# KiCad board ardumower mega shield svn.kicad_pcb (continued)
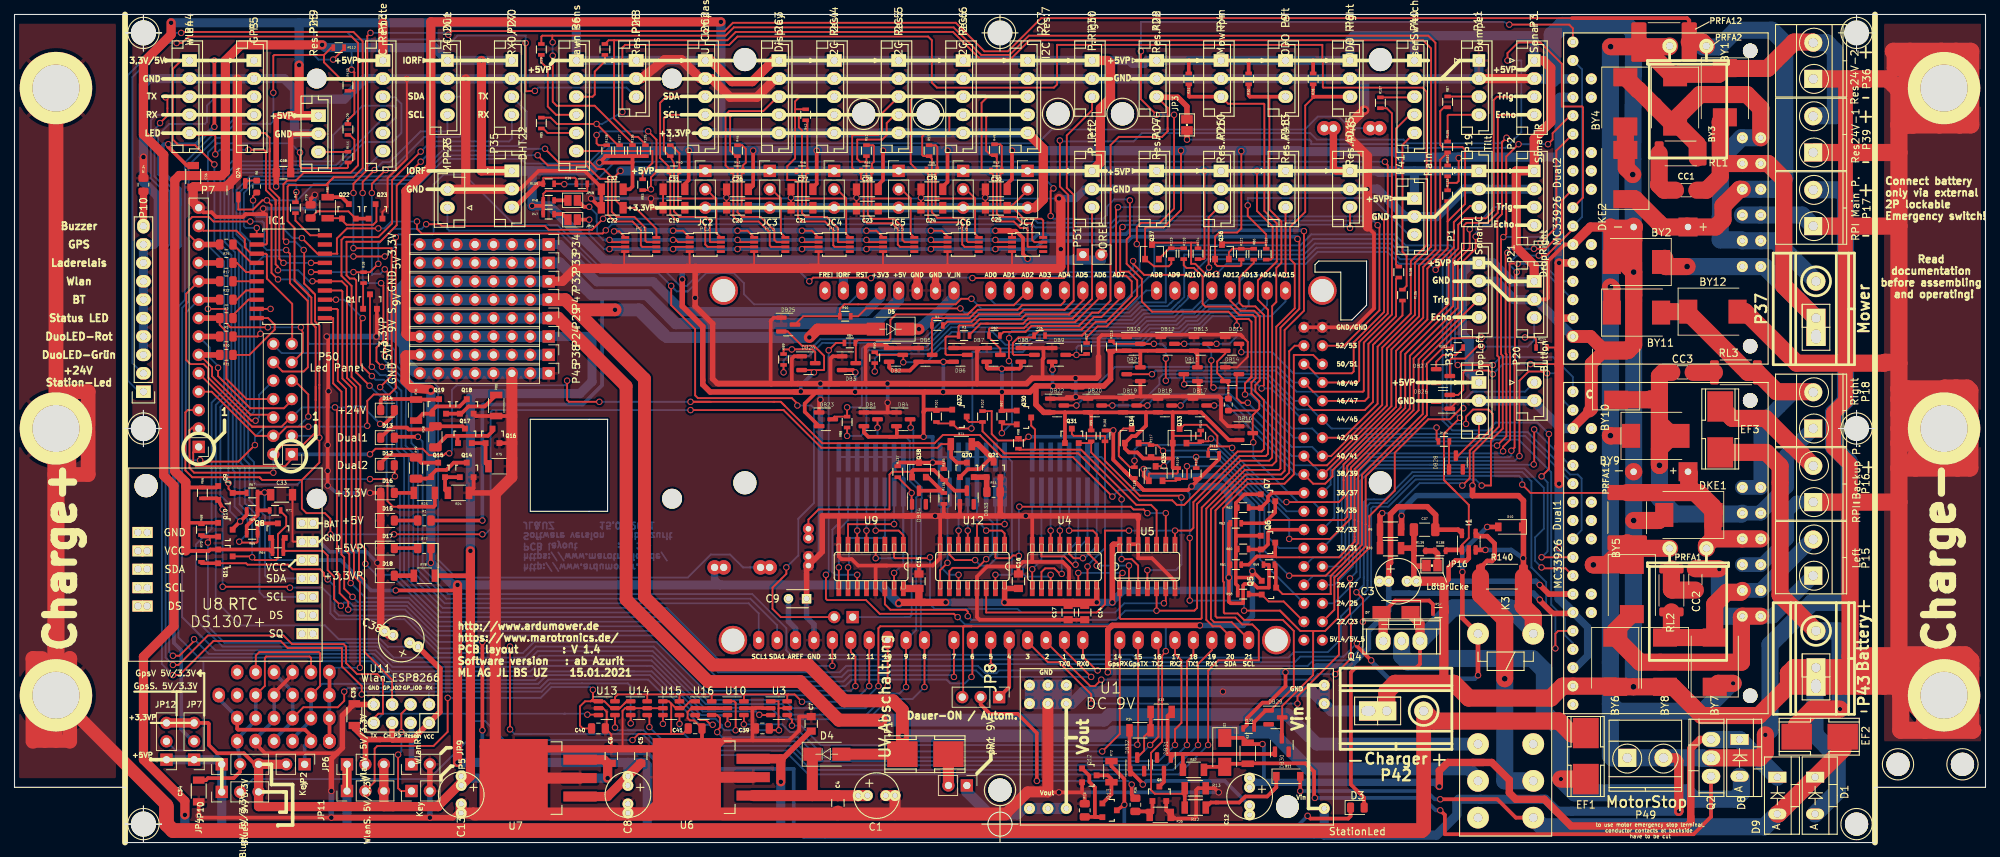
[diagram p0: board, top side]
## Routing (per net, layer and track width the routed paths; a pad name or vN(x,y) marks a point on that pad's centre or on a via; arc(x,y) is an arc through that point) (continued)
Net-(C39-Pad1): length 117.5
  Top w0.254: 99.44,15.37 v1(99.44,15.49) 99.44,19.3 99.25,19.49 U10.1 98.74,19.49 ; U3.5 105.41,18.54 105.35,18.48 ; 105.35,18.48 105.35,19.49 U3.1 104.84,19.49 ; 105.35,18.48 105.35,15.56 v1(105.41,15.49) 104.33,15.49 C39.1
  Bottom w0.254: 84.33,23.62 87.88,23.62 94.42,17.08 96.66,17.08 97.54,16.21 97.54,15.88 97.92,15.49 v1(99.44,15.49) v1(105.41,15.49) ; 84.33,23.62 73.02,23.62 71.82,22.42 51.78,22.42 49.18,25.02 26.04,25.02 26.04,12.7 22.22,12.7 JP12.2 ; 84.33,23.62 85.47,23.62
Net-(C40-Pad1): length 59.5
  Top w0.254: U13.1 81.35,19.49 82.3,18.54 U13.5 83.46,18.54 84.41,19.49 ; U13.1 79.82,19.49 ; U13.1 80.33,19.69 79.76,19.69 ; 79.82,19.49 79.76,19.56 79.76,19.69 ; 79.82,19.49 79.44,19.49 ; 79.76,19.69 79.63,19.69 79.44,19.49 ; 79.76,19.69 v1(79.76,21.08) 79.76,20.26 ; U14.1 84.41,19.49 ; 84.41,19.49 84.1,19.18 ; C40.1 78.36,15.75 77.98,16.13 77.98,18.8 78.67,19.49 79.44,19.49 ; v1(59.73,19.97) 59.73,15.28 57.78,13.34 50.04,13.34 49.66,12.95 49.66,8.38 48.39,7.11
  Bottom w0.254: v1(59.73,19.97) 72.54,19.97 74.04,21.46 79.38,21.46 v1(79.76,21.08)
Net-(C41-Pad1): length 78.1
  Top w0.254: 90.55,19.18 91.19,18.54 U15.5 92.2,18.54 93.15,19.49 U16.1 ; 90.55,19.18 90.24,19.49 U15.1 ; 90.55,19.18 90.55,14.99 ; v1(85.22,14.14) 86.06,14.99 90.55,14.99 ; 90.55,14.99 92.14,14.99 C41.1
  Bottom w0.254: JP10.2 32.89,8.76 57.15,8.76 62.61,14.22 62.61,16 63.37,16.76 64.9,16.76 67.52,14.14 v1(85.22,14.14)
Net-(CC1-Pad2): length 7
  Top w2.358: CC1.2 227.46,90.04 226.7,90.81 226.78,90.89 RL1.1
Net-(CC2-Pad2): length 6.2
  Top w2.358: CC2.2 228.55,34.85 228.47,34.92 RL2.1
Net-(CC3-Pad2): length 2.9
  Top w2.358: CC3.2 RL3.1
Net-(D1-Pad1): length 86.9
  Top w0.508: K3.16 207.01,3.43 204.47,5.97 v1(196.6,5.97) ; v1(177.29,7.11) D11.2
  Top w2.358: EF2.1 252.1,12.83 D1.1 243.21,3.94 D9.2
  Bottom w0.508: v1(196.6,5.97) 195.83,5.97 194.69,7.11 v1(177.29,7.11)
  Bottom w2.358: K3.16 210.69,2.16 241.3,2.16 ; 241.3,2.16 242.57,3.43 ; 241.3,2.16 D9.2
Net-(D2-Pad2): length 85.9
  Top w0.508: v1(196.6,4.44) 197.23,3.81 197.23,1.14 228.22,1.14 ; 179.2,9.78 179.2,9.53 ; 179.2,9.78 178.05,10.92 170.11,10.92 R37.2 167.3,10.87 D2.2 164.42,10.45 R32.2 ; 179.2,9.78 179.2,6.27 v1(179.3,6.16) ; 228.22,1.14 231.52,1.14 233.93,3.56 Q2.1 ; 228.22,1.14 229.36,1.14
  Bottom w0.508: v1(179.3,6.16) 194.25,6.16 195.97,4.44 v1(196.6,4.44)
Net-(D3-Pad1): length 44.9
  Top w0.48: v1(153.04,5.21) Q13.3
  Top w0.508: R72.1 151.26,10.54 153.04,8.76 v1(153.04,5.21) ; D3.1 184.23,3.63 183.9,3.3 178.69,3.3 v1(178.31,3.68)
  Bottom w0.508: v1(178.31,3.68) 176.15,1.52 153.67,1.52 153.04,2.16 v1(153.04,5.21)
Net-(D5-Pad1): length 9.4
  Top w1.524: D5.1 v1(124.71,70.87)
  Bottom w1.524: SHIELD1.V_IN 129.54,75.28 127.35,73.08 v1(124.71,70.87)
Net-(D7-Pad2): length 12.8
  Top w0.508: R57.1 195.59,32.88 195.07,33.4 190.37,33.4 190.37,33.37 188.75,31.75
  Top w1.27: 188.75,31.75 188.72,31.72 Q4.1
Net-(D10-Pad2): length 221.7
  Top w0.254: v1(49.28,65.66) 49.02,65.91 Q1.3
  Top w0.508: v1(185.1,27.51) 185.1,27.11 v1(187.07,25.15)
  Top w0.635: D10.2 v1(203.07,43.56) ; v1(201.81,23.09) 201.8,23.09 K3.9 199.64,30.99 v1(199.64,37.34)
  Bottom w0.254: v1(49.28,65.66) 50.42,64.52 51.18,64.52 53.34,62.36 53.34,54.48 54.36,53.47 54.36,37.08 59.05,32.39 89.92,32.39 97.03,25.27 153.8,25.27 154.18,24.89 176.53,24.89 177.29,25.65 183.25,25.65 v1(185.1,27.51)
  Bottom w0.635: v1(187.07,25.15) 187.07,25.02 189.48,22.61 201.33,22.61 v1(201.81,23.09) ; v1(203.07,43.56) 199.64,40.13 v1(199.64,37.34)
Net-(D11-Pad1): length 13.6
  Top w0.508: 173.99,7.62 173.36,6.99 ; 173.99,7.62 173.99,9.14 D11.1 ; 173.99,7.62 172.72,6.35 169.71,6.35 168.89,5.53 165.67,5.53 ; R12.1 164.96,5.53 165.67,5.53 ; 165.67,5.53 165.99,5.53
Net-(D12-Pad1): length 9.5
  Top w0.508: 55.43,53.2 55.37,53.14 ; 55.37,53.14 56.08,52.43 Q15.3 58.35,52.5 ; 55.37,53.14 55.04,53.47 51.56,53.47 50.5,52.4 D12.1 ; 55.37,53.14 55.19,53.14
Net-(D13-Pad1): length 12.6
  Top w0.508: Q17.3 61.78,57.46 58.04,57.46 57.61,57.02 54.36,57.02 54.1,57.28 51.89,57.28 D13.1
Net-(D14-Pad1): length 9.7
  Top w0.254: 58.53,61.21 Q19.3 58.4,61.2
  Top w0.508: Q19.3 58.49,61.14 R76.1 55.3,61.21 50.67,61.21 50.5,61.04 D14.1
Net-(D15-Pad2): length 3.2
  Top w0.508: R1.2 D15.2
Net-(D16-Pad2): length 2.2
  Top w0.508: 52.85,48.26 R23.2
Net-(D17-Pad2): length 3.2
  Top w0.508: R77.2 D17.2
Net-(D18-Pad2): length 2.7
  Top w0.635: R78.2 D18.2
Net-(DB1-Pad3): length 246.5
  Top w0.254: 39.62,93.09 39.37,93.34 v1(39.37,95.25) ; 39.62,93.09 45.85,93.09 45.97,93.22 R111.2 46.37,93.87 46.86,94.36 46.86,97.03 46.22,97.68 R129.1 ; 39.62,93.09 40.77,93.09 ; SHIELD1.9 122.94,28.7 ; SHIELD1.9 122.94,28.96 ; SHIELD1.9 122.94,28.19 ; SHIELD1.9 v1(122.94,21.46) ; v1(119,57.28) DB1.3
  Bottom w0.254: v1(122.94,21.46) 122.05,20.57 120.4,20.57 117.48,17.65 107.31,17.65 105.85,19.11 95.31,19.11 88.01,26.42 72.14,26.42 70.61,24.89 52.18,24.89 50.02,27.05 28.7,27.05 25.02,30.73 25.02,41.15 27.18,43.31 27.18,60.71 28.89,62.42 28.89,80.2 26.67,82.42 26.67,95.25 27.94,96.52 38.1,96.52 v1(39.37,95.25) ; SHIELD1.9 124.33,29.34 124.33,47.62 124.59,47.88 124.59,48.77 123.44,49.91 123.44,55.44 122.75,56.13 119,56.13 v1(119,57.28)
Net-(DB2-Pad3): length 62.5
  Top w0.254: SHIELD1.AD13 170.18,76.07 ; v1(122.55,66.29) 122.55,67.23 DB2.3 118.99,67.31 R50.2
  Bottom w0.254: 168.78,73.66 167.77,73.66 ; 167.77,73.66 164.76,73.66 163.22,72.11 163.21,72.11 163.11,72.01 161.59,72.01 160.8,71.23 160.76,71.23 160.5,70.97 156.56,70.97 155.19,69.6 140.19,69.6 138.79,68.2 ; 167.77,73.66 169.67,73.66 170.18,74.17 SHIELD1.AD13 ; 138.79,68.2 139.75,69.16 ; 138.79,68.2 127.67,68.2 125.77,66.29 v1(122.55,66.29) ; SHIELD1.AD13 170.18,75.06 ; SHIELD1.AD13 170.05,76.2
  Bottom w0.508: 170.18,75.44 SHIELD1.AD13
Net-(DB3-Pad3): length 31.9
  Top w0.254: SHIELD1.AD2 139.7,76.07 137.8,74.17 132.72,74.17 131.45,72.9 ; 131.45,72.9 121.54,72.9 120.78,72.14 120.78,69.6 120.52,69.34 116.32,69.34 R84.2 116,68.9 DB3.3 ; 131.45,72.9 132.02,73.47
Net-(DB4-Pad3): length 250.5
  Top w0.254: 42.67,108.71 35.81,108.71 35.69,108.59 v1(35.69,103.5) ; 42.67,108.71 43.69,109.73 R112.2 ; 42.67,108.71 42.67,107.7 45.1,105.27 R130.1 ; SHIELD1.8 v1(125.48,21.46) ; SHIELD1.8 125.48,28.07 ; SHIELD1.8 125.48,28.45 ; DB4.3 123.57,58.34 v1(123.57,57.28)
  Bottom w0.254: 125.22,28.19 SHIELD1.8 124.97,28.45 124.97,44.07 ; 124.97,44.07 124.97,47.37 125.09,47.5 125.09,49.02 123.95,50.17 123.95,56.9 v1(123.57,57.28) 123.57,57.02 ; 124.97,44.07 124.97,44.1 ; v1(125.48,21.46) 123.83,19.81 120.52,19.81 117.73,17.02 105.87,17.02 104.29,18.61 95.1,18.61 87.92,25.78 72.39,25.78 70.87,24.26 52.1,24.26 49.81,26.54 27.69,26.54 23.11,31.12 23.11,73.8 24,74.69 24,93.47 27.81,97.28 28.46,97.28 30.38,99.2 35.32,99.2 35.69,99.57 v1(35.69,103.5)
Net-(DB5-Pad3): length 25.9
  Top w0.254: DB5.3 126.5,67.35 R4.2 ; SHIELD1.AD4 144.78,74.68 144.27,74.17 138.94,74.17 138.3,73.53 132.84,73.53 131.7,72.39 126.62,72.39 126.49,72.26 126.49,71.39 R4.2 ; R4.2 126.62,71.49
Net-(DB6-Pad3): length 29.7
  Top w0.254: 145.42,72.9 146.18,73.66 ; 145.42,72.9 147.45,74.93 147.45,76.07 SHIELD1.AD5 ; 145.42,72.9 139.45,72.9 138.81,72.26 133.1,72.26 132.21,71.37 132.16,71.37 130.3,71.37 130.18,71.25 130.18,69.99 R3.2 130.06,69.85 128.52,69.85 128.37,69.7 128.37,67.46 128.52,67.31 DB6.3
Net-(DB7-Pad3): length 23.2
  Top w0.254: 146.25,71.82 140.02,71.82 139.19,70.99 134.49,70.99 134.38,70.88 R82.2 134.38,69.71 135.94,68.15 DB7.3 ; 146.25,71.82 146.88,72.45 ; 146.25,71.82 149.86,75.44 SHIELD1.AD6
Net-(DB8-Pad3): length 23.4
  Top w0.254: 147.14,70.81 147.45,71.12 ; 147.14,70.81 141.43,70.81 R26.2 140.35,69.72 138.43,69.72 137.67,68.96 137.67,68.65 137.64,68.63 137.64,67.46 137.8,67.31 DB8.3 ; 147.14,70.81 148.84,72.52 149.86,72.52 152.4,75.06 SHIELD1.AD7
Net-(DB9-Pad3): length 38.3
  Top w0.254: DB9.3 v1(146.43,67.31) 147.69,67.31 R27.2 ; 148.09,67.45 R27.2 ; R27.2 147.71,67.56
  Bottom w0.254: 147.96,68.58 147.57,68.58 ; 147.96,68.58 155.61,68.58 156.98,69.96 160.97,69.96 162.01,70.99 163.53,70.99 163.59,71.06 163.6,71.06 165.18,72.64 168.91,72.64 ; 147.96,68.58 146.68,68.58 146.43,68.33 v1(146.43,67.31) ; 168.91,72.64 169.37,72.64 ; 168.91,72.64 173.23,72.64 175.26,74.68 SHIELD1.AD15 175.26,76.07
Net-(DB10-Pad3): length 56.7
  Top w0.254: v1(196.09,57.28) 196.09,55.64 R104.2 ; v1(157.1,68.84) 157.1,68.83 DB10.3 ; DB10.3 156.59,68.83 ; DB10.3 151.63,68.83 R113.1 ; v1(158.75,66.8) v1(158.75,63.75)
  Bottom w0.254: v1(158.75,66.8) 158.75,68.33 ; 158.75,68.33 158.24,68.84 v1(157.1,68.84) ; 158.75,68.33 158.31,68.77 ; SHIELD1.45 181.61,57.15 195.96,57.15 v1(196.09,57.28) ; v1(158.75,63.75) 159.13,64.14 172.55,64.14 176.91,59.77 178.86,59.77 180.21,58.42
Net-(DB11-Pad3): length 42
  Top w0.254: DB11.3 161.24,63.29 v1(161.29,63.25) ; 170.88,80.33 R86.2 170.88,80.01 168.91,78.04 168.91,74.49 169.39,74.01 171.1,74.01 172.28,72.83 172.28,63.12 v1(171.96,62.67)
  Bottom w0.254: 177.29,58.42 SHIELD1.44 177.55,58.42 173.29,62.67 v1(171.96,62.67) 171,63.63 161.67,63.63 v1(161.29,63.25)
Net-(DB12-Pad3): length 239.5
  Top w0.254: 180.72,55.88 SHIELD1.43 183.26,55.88 187.96,60.58 187.96,68.45 192.53,73.03 192.53,80.26 194.72,82.45 194.72,103.63 194.14,104.2 180.47,104.2 180.4,104.27 180.4,108.08 180.34,108.08 180.34,110.11 143.76,110.11 143.76,104.65 143.32,104.2 127.19,104.2 126.49,104.9 126.49,110.74 125.98,111.25 99.69,111.25 98.55,110.11 84.2,110.11 83.82,109.73 v1(83.82,100.84) ; R85.2 73.93,100.06 74.8,99.19 v1(80.26,99.19) 83.2,96.25 R127.1 ; v1(165.03,66.55) 165.03,63.11 v1(165.33,62.8) ; v1(161.29,68.84) 161.29,68.83 DB12.3
  Bottom w0.254: v1(83.82,100.84) 81.03,99.19 v1(80.26,99.19) ; v1(165.03,66.55) 165.03,68.02 164.21,68.84 v1(161.29,68.84) ; 169.93,62.74 170.56,62.74 176.15,57.15 178.94,57.15 180.21,55.88 ; 169.93,62.74 165.39,62.74 v1(165.33,62.8) ; 169.93,62.74 170.18,62.74
Net-(DB13-Pad3): length 156.2
  Top w0.254: v1(87.38,98.17) 88.52,97.03 88.52,92.58 87.76,91.82 v1(87.76,90.17) 87.64,90.06 R83.2 ; v1(80.26,97.66) 80.26,96.52 80.53,96.25 R128.1 ; 168.53,72.26 168.4,72.26 167.39,73.28 156.84,73.28 155.45,74.68 155.45,77.79 153.35,79.88 153.35,83.25 153.8,83.69 v1(153.8,88.65) ; 168.53,72.26 170.18,72.26 170.56,71.88 170.56,64.26 ; 168.53,72.26 v1(168.53,71.37) ; 170.56,64.26 169.67,63.37 v1(169.67,61.85) ; 170.56,64.26 170.31,64.01 ; 170.56,64.26 169.99,63.69 ; DB13.3 165.73,68.83 v1(165.74,68.84) ; v1(143.26,90.3) 142.88,89.92 v1(142.88,86.49)
  Bottom w0.254: v1(80.26,97.66) 80.77,98.17 v1(87.38,98.17) ; v1(153.8,88.65) 153.67,88.77 151.64,88.77 150.62,87.76 150.62,86.61 150.11,86.11 143.26,86.11 v1(142.88,86.49) ; 170.31,61.85 v1(169.67,61.85) 170.43,61.85 176.4,55.88 SHIELD1.42 ; SHIELD1.42 177.17,55.88 ; SHIELD1.42 177.29,55.88 ; v1(143.26,90.3) 143.26,90.42 142.24,91.44 87.76,91.44 v1(87.76,90.17) ; v1(168.53,71.37) 168.53,69.85 167.52,68.84 v1(165.74,68.84)
Net-(DB14-Pad3): length 217.1
  Top w0.254: R54.2 81.93,110.74 82.68,110.74 ; 82.68,110.74 82.68,99.95 85.22,97.41 85.98,97.41 86.99,96.39 R125.1 ; 82.68,110.74 98.3,110.74 99.44,111.89 129.41,111.89 133.1,108.2 137.41,108.2 139.95,110.74 194.21,110.74 195.33,109.63 195.33,82.23 193.1,80.01 193.1,72.83 188.59,68.33 188.59,60.4 181.54,53.34 SHIELD1.41 ; v1(170.05,60.71) 169.16,60.71 168.53,61.34 168.53,64.34 DB14.3
  Bottom w0.254: 176.15,54.61 178.94,54.61 180.21,53.34 ; 176.15,54.61 v1(170.05,60.71) ; 176.15,54.61 177.29,54.61
Net-(DB15-Pad3): length 167.2
  Top w0.254: v1(188.98,93.98) 189.36,93.47 189.36,73.03 185.42,69.09 185.42,63.75 185.17,63.5 SHIELD1.49 ; DB15.3 169.16,68.5 v1(169.16,67.69) ; v1(75.81,90.87) 75.75,90.93 R109.2
  Bottom w0.254: 180.34,63.63 179.2,64.77 176.35,64.77 173.43,67.69 v1(169.16,67.69) ; v1(75.81,90.87) 79.69,90.87 82.8,93.98 v1(188.98,93.98)
Net-(DB16-Pad3): length 54.1
  Top w0.254: 170.74,58.98 DB16.3 170.81,56.44 v1(170.81,55.25) ; 170.74,58.98 171.39,59.63 ; 170.74,58.98 170.88,59.12 ; R7.1 171.39,59.63 171.39,59.63 ; 171.39,59.63 171.64,59.88 171.64,60.9 170.56,61.98 170.56,63.5 171.13,64.07 171.13,72.45 170.75,72.83 168.85,72.83 167.7,73.98 164.21,73.98 163.83,74.36 163.83,78.11 162.62,79.31 161.61,79.31 161.23,79.69 R110.2
  Bottom w0.254: 180.85,45.72 SHIELD1.35 179.07,46.99 177,46.99 170.81,53.17 ; 170.81,53.17 171.11,52.87 ; 170.81,53.17 v1(170.81,55.25)
Net-(DB17-Pad3): length 88.4
  Top w0.254: R87.2 197.12,101.48 196.6,100.97 196.6,96.27 196.85,96.01 199.64,96.01 200.03,95.63 200.03,88.14 197.61,85.72 ; 197.61,85.72 R132.1 ; 197.61,85.72 197.61,82.04 194.82,79.25 194.82,72.2 190.5,67.88 190.5,60.15 181.74,51.38 181.74,50.54 180.73,49.53 179.07,49.53 SHIELD1.38 ; DB17.3 165.41,60.33 v1(165.42,60.33)
  Bottom w0.254: v1(165.42,60.33) 165.43,60.33 167.26,60.33 ; 167.26,60.33 167.64,59.94 ; 167.26,60.33 176.78,50.8 SHIELD1.38 177.29,50.8
Net-(DB18-Pad3): length 79.7
  Top w0.254: 180.59,50.8 SHIELD1.39 180.43,50.8 189.86,60.23 189.86,68.07 194.25,72.45 194.25,79.44 196.6,81.79 196.6,94.25 R105.2 R131.1 ; DB18.3 160.78,60.33 v1(160.78,60.33)
  Bottom w0.254: 167.13,61.34 161.8,61.34 v1(160.78,60.33) ; 167.13,61.34 176.4,52.07 179.07,52.07 SHIELD1.39 ; 167.13,61.34 167.45,61.02
Net-(DB19-Pad3): length 248.1
  Top w0.254: R29.2 72.64,111.25 72.77,111.38 74.16,111.38 ; v1(74.22,108.61) 74.22,102.25 74.76,101.7 80,101.7 85.22,96.48 R126.1 85.22,96.39 ; v1(74.21,110.46) 74.16,110.52 74.16,111.38 ; 74.16,111.38 98.04,111.38 99.19,112.52 129.5,112.52 133.31,108.71 137.2,108.71 139.87,111.38 194.95,111.38 195.94,110.39 195.94,81.89 193.68,79.63 193.68,72.64 189.23,68.2 189.23,60.31 180.99,52.07 179.07,52.07 SHIELD1.40 ; v1(156.21,60.33) 155.95,60.33 DB19.3
  Bottom w0.254: v1(74.22,108.61) 74.21,108.62 v1(74.21,110.46) ; 177.29,53.34 SHIELD1.40 176.15,53.34 167.64,61.85 ; 157.86,61.85 167.64,61.85 ; 157.86,61.85 157.61,61.85 ; 157.86,61.85 157.48,61.85 v1(156.21,60.33) ; 167.64,61.85 168.34,61.15
Net-(DB20-Pad3): length 61.7
  Top w0.254: SHIELD1.46 179.07,59.69 186.18,59.69 187.33,60.83 187.33,68.71 191.39,72.77 R106.2 ; DB20.3 151.38,60.33 v1(151.38,60.33)
  Bottom w0.254: SHIELD1.46 177.42,60.96 ; SHIELD1.46 176.53,60.96 172.84,64.65 158.37,64.65 157.86,64.14 157.86,63.25 154.94,60.33 ; SHIELD1.46 177.29,60.96 ; 153.75,60.33 v1(151.38,60.33) 154.94,60.33 ; 154.94,60.33 154.43,60.33
Net-(DB21-Pad3): length 56.7
  Top w0.254: 180.85,60.96 SHIELD1.47 ; SHIELD1.47 181.1,60.96 ; SHIELD1.47 186.18,60.96 186.69,61.47 186.69,68.83 190.5,72.64 190.5,77.8 R108.2 ; v1(156.84,64.64) DB21.3
  Bottom w0.254: v1(156.84,64.64) 157.36,65.15 159.13,65.15 ; 159.13,65.15 173.86,65.15 176.78,62.23 179.07,62.23 SHIELD1.47 ; 159.13,65.15 157.56,65.15
Net-(DB22-Pad3): length 88
  Top w0.254: 178.18,63.88 SHIELD1.48 179.07,62.23 185.93,62.23 186.06,62.36 186.06,69 189.93,72.88 189.93,100.65 189.22,101.36 R107.2 ; DB22.3 146.43,60.33 v1(146.43,60.33)
  Bottom w0.254: 158.37,65.66 151.77,65.66 v1(146.43,60.33) ; 158.37,65.66 174.18,65.66 176.34,63.5 SHIELD1.48 ; 158.37,65.66 157.77,65.66
Net-(DB23-Pad3): length 65.3
  Top w0.254: 112.57,58.29 113.07,58.79 R88.2 v1(114.81,60.07)
  Bottom w0.254: 117.09,68.45 125.77,68.45 128.94,71.63 154.34,71.63 155.72,73 155.85,73 155.87,73.02 159.68,73.02 160.7,74.04 160.75,74.04 161.8,75.09 161.8,75.44 SHIELD1.AD10 162.56,75.31 ; 117.09,68.45 118.49,68.45 ; 117.09,68.45 116.84,68.2 116.84,60.33 116.59,60.07 v1(114.81,60.07)
Net-(DB24-Pad3): length 67
  Top w0.254: R89.2 106.05,67.95 106.17,68.07 v1(107.19,68.07) 110.03,68.07 110.41,67.69 DB24.3
  Bottom w0.254: 130.3,72.64 129.41,72.64 ; 130.3,72.64 128.52,72.64 125.35,69.47 111.12,69.47 ; 130.3,72.64 153.92,72.64 155.3,74.02 155.43,74.02 155.45,74.04 158.96,74.04 159.4,74.49 159.45,74.49 160.02,75.06 SHIELD1.AD9 160.02,75.18 ; v1(107.19,68.07) 109.73,68.07 111.12,69.47 ; 111.12,69.47 109.98,68.33
Net-(DB25-Pad3): length 54.5
  Top w0.254: DB25.3 108.76,72.64 R90.2 113.8,73.67 114.43,74.3 129.77,74.3 130.53,75.06 v1(131.95,75.06)
  Bottom w0.254: v1(131.95,75.06) 133.35,73.66 153.5,73.66 156.04,76.2 SHIELD1.AD8 157.48,75.31
Net-(DB26-Pad3): length 63.6
  Top w0.254: 198.03,68.33 196.98,68.33 196.85,68.2 ; 194.75,64.01 194.75,62.1 ; 194.75,64.01 194.75,63.6 ; 194.75,64.01 194.75,66.1 196.85,68.2 ; 194.75,62.1 194.75,60.77 ; 194.75,62.1 194.75,62.27 ; 194.75,60.77 194.82,60.83 DB26.3 ; 194.75,60.77 194.75,58.99 194.44,58.67 ; 194.75,60.77 194.75,59.96 ; R114.1 209.82,69.46 209.55,69.72 v1(208.28,69.72) ; 194.69,58.93 194.44,58.67 ; 194.44,58.67 186.31,50.55 186.31,43.91 186.31,40.9 181.99,36.58 181.99,32.13 SHIELD1.23 ; v1(202.31,69.72) 198.25,69.6 196.85,68.2
  Bottom w0.254: v1(202.31,69.72) v1(208.28,69.72)
Net-(DB27-Pad1): length 5.6
  Top w0.254: DB27.1 196.04,66.37 196.98,67.31 198.74,67.31 R103.1
Net-(DB28-Pad1): length 3.9
  Top w0.254: 197.81,51.51 197.81,55.32 R104.1
Net-(DB30-Pad1): length 25.4
  Top w0.254: 161.46,10.38 R32.1
  Top w0.508: R33.2 159,17.47 159,12.19 160.21,12.19 160.24,12.22 ; 161.83,12.22 173.5,12.22 DB30.1 ; 161.83,12.22 161.2,12.22 161.11,12.14 R32.1 ; 161.83,12.22 160.24,12.22 ; 160.24,12.22 159.94,12.22 DB31.1
Net-(DB31-Pad3): length 2.4
  Top w0.508: Q3.3 158.5,8.36 DB31.3
Net-(DB32-Pad3): length 7.1
  Top w0.254: 156.64,18.01 R33.1 ; DB32.3 155.77,12.68 155.77,14.62 R34.2
  Top w0.508: R34.2 156.67,15.52 R33.1
Net-(DB34-Pad1): length 30.3
  Top w0.254: DB34.1 123.7,46.75 v1(123.7,48.26) 123.7,48.53 R137.1
  Bottom w0.254: 123.44,31.11 122.81,31.11 ; 123.44,31.11 JP13.1 ; 123.44,31.11 123.7,31.37 v1(123.7,48.26)
Net-(DB34-Pad3): length 6.5
  Top w0.508: 127.76,48.64 R136.1 ; 127.76,48.64 127.68,48.56 DB34.3 ; 127.76,48.64 125.96,50.44 Q38.2
Net-(Dual2-Pad9): length 94.4
  Top w0.254: v1(205.87,107.95) 205.87,108.97 207.34,110.44 210.41,110.44 213.36,107.49 213.36,101.6 216.15,101.6 216.28,101.47 216.28,89.03 Dual2.9
  Top w0.762: v1(161.67,97.03) JP3.2
  Bottom w0.254: v1(161.67,97.03) 178.56,97.03 178.82,96.77 178.82,96.39 191.26,96.39 191.77,95.88 205.61,95.88 207.77,98.04 207.77,107.95 v1(205.87,107.95)
Net-(EF2-Pad2): length 56.4
  Top w2.358: P43.2 243.46,34.16 243.46,51.94 241.55,53.85 EF3.1 ; v2(251.71,18.42) 247.9,18.42 245.75,16.26 EF2.2
  Bottom w2.358: P43.2 251.59,29.21 251.71,29.08 v2(251.71,18.42)
Net-(EF3-Pad2): length 16.2
  Top w2.358: EF3.2 236.86,58.55 241.43,58.55 245.11,54.86 245.16,54.86 P16.2
Net-(F1-Pad1): length 5.3
  Top w1.524: 129.03,12.45 F1.1 ; F1.1 JP1.2 ; F1.1 128.78,12.83
Net-(IC1-Pad10): length 5.9
  Top w0.254: R43.2 38.73,85.85 40.77,83.82 IC1.10
Net-(IC1-Pad13): length 26.1
  Top w0.254: 34.8,77.85 38.29,74.36 38.29,68.9 P50.13 ; 34.8,77.85 34.8,78.23 ; 34.8,77.85 34.8,81.15 34.67,81.28 IC1.13 32.64,81.28 31.75,82.17 31.75,83.3 30.59,84.45 26.04,84.45 P7.13
  Bottom w0.254: 38.39,68.68 P50.13
Net-(IC1-Pad14): length 4.3
  Top w0.254: R25.1 32.66,80.01 IC1.14
Net-(IC1-Pad15): length 3.8
  Top w0.254: R17.1 30.66,80.01 31.93,78.74 IC1.15
Net-(IC1-Pad16): length 2.7
  Top w0.254: IC1.16 30.66,77.47
Net-(IC1-Pad17): length 3.8
  Top w0.254: R2.1 30.66,74.93 31.93,76.2 IC1.17
Net-(IC1-Pad18): length 4.6
  Top w0.254: R5.1 30.12,72.79 32.26,74.93 IC1.18
Net-(IC1-Pad19): length 10.1
  Top w0.254: v1(33.91,70.23) 33.53,69.85 30.66,69.85 ; IC1.19 v1(35.31,73.66)
  Bottom w0.254: v1(35.31,73.66) 34.04,73.66 33.91,73.53 v1(33.91,70.23)
Net-(IC1-Pad20): length 10.2
  Top w0.254: IC1.20 34.97,72.39 35.88,71.48 35.88,70.8 32.39,67.31 30.66,67.31
Net-(JP1-Pad1): length 16.2
  Bottom w1.524: JP1.1 131.32,6.99 134.37,3.94 138.3,3.94 139.06,4.7 U1.2 U1.2 U1.2
Net-(JP2-Pad1): length 21.2
  Top w0.508: U2.Key 30.71,15.7 30.84,15.57 40.06,15.57 40.87,14.76 U2.Key ; 40.89,14.1 40.89,14.6
  Bottom w0.508: 30.73,17.27 28.19,19.81 28.19,20.45 ; 40.89,14.1 40,13.34 JP2.1
Net-(JP5-Pad1): length 14.9
  Top w0.254: v1(52.9,12.13) 52.9,7.49 53.28,7.11 JP5.1 ; v1(53.34,15.24) 53.34,17.78 U11.GP_0
  Bottom w0.254: 53.34,12.57 v1(52.9,12.13) 53.34,12.57 ; 53.34,12.57 v1(53.34,15.24)
Net-(JP8-Pad2): length 32.6
  Top w0.48: 134.49,17.78 138.3,17.78 140.97,15.11 v1(140.97,8.51)
  Top w0.508: JP8.2 133.22,19.05 134.49,17.78 ; 154.43,6.25 R36.2 154.05,6.63 v1(154.05,8)
  Bottom w0.254: v1(140.97,8.51) 153.54,8.51 v1(154.05,8)
Net-(JP9-Pad1): length 5.8
  Bottom w0.762: U11.Rese 54.74,16.38 JP9.1
Net-(JP14-Pad2): length 2.2
  Top w0.508: JP14.2 75.55,86.74 R47.2
Net-(JP15-Pad2): length 1.9
  Top w0.508: JP15.2 R48.2
Net-(JP16-Pad1): length 3.5
  Top w0.762: R139.1 R138.2 196.22,39.89 JP16.1
Net-(P5-Pad3): length 180.9
  Top w0.254: v1(21.84,25.78) 22.73,25.78 24.77,27.81 v1(24.77,28.07) ; v1(102.7,17.63) 102.74,17.59 U3.3
  Bottom w0.254: v1(21.84,25.78) 21.34,26.29 21.34,81.81 21.91,82.38 21.91,90.11 19.81,92.2 19.81,97.66 21.35,99.2 ; 21.35,99.2 26.26,99.2 26.54,99.48 26.54,101.73 27.77,102.95 P5.3 ; 21.35,99.2 23.19,99.2 ; v1(24.77,28.07) 26.8,26.03 49.6,26.03 52.01,23.62 71.12,23.62 72.64,25.15 87.84,25.15 94.89,18.1 102.24,18.1 v1(102.7,17.63)
Net-(P5-Pad4): length 163.1
  Top w0.254: U10.3 98.3,16.38 v1(98.36,16.32)
  Bottom w0.254: 98.17,17.53 98.11,17.59 94.68,17.59 87.88,24.38 87.12,24.38 ; 98.17,17.53 98.36,17.34 v1(98.36,16.32) ; 98.17,17.53 97.09,17.53 ; 87.12,24.38 87.25,24.38 ; 87.12,24.38 72.77,24.38 71.37,22.99 51.93,22.99 49.39,25.53 25.4,25.53 22.61,28.32 22.61,74.01 23.49,74.9 23.49,93.85 27.56,97.92 28.32,97.92 30.85,100.45 P5.4
Net-(P10-Pad1): length 185.6
  Top w0.254: v1(22.99,111.76) 23.11,111.89 46.74,111.89 48.01,110.62 48.01,93.09 46.74,91.82 44.01,91.82 ; 26.16,57.15 P7.2 ; P7.2 26.04,57.15 ; P7.2 25.27,57.28 24.51,57.28 24.13,56.9 24.13,51.69 24.77,51.05 v1(35.69,51.05) ; 44.01,91.82 43.18,91 R81.1 ; 44.01,91.82 42.93,90.74 37.85,90.74 37.66,90.55 37.66,85.79 38.61,84.84 38.61,77.55 40.68,75.48 ; 39.75,54.86 41.53,56.64 41.53,61.09 ; 39.75,54.86 36.96,54.86 P50.2 ; 39.75,54.86 38.86,54.86 ; 41.53,61.09 41.53,61.09 41.53,71.13 ; 41.53,61.09 41.53,62.96 ; 41.53,71.13 41.47,71.19 ; 41.53,71.13 40.94,71.72 40.94,75.22 40.68,75.48 ; 40.68,75.48 39.28,76.87
  Top w0.508: R81.1 45.14,89.08 Q22.3
  Bottom w0.254: v1(22.99,111.76) 21.46,111.76 15.62,105.92 15.62,63.75 17.14,62.23 P10.1 ; v1(35.69,51.05) P50.2
Net-(P10-Pad2): length 300.8
  Top w0.254: 39.62,50.04 42.04,52.45 42.04,62.75 ; 39.62,50.04 39.62,46.1 40.26,45.47 42.8,45.47 43.56,44.7 v1(43.56,42.55) ; 39.62,50.04 34.16,50.04 33.78,50.42 ; 41.23,75.86 40.6,76.5 ; 41.23,75.86 41.44,75.65 41.44,71.93 42.04,71.34 42.04,63.17 42.04,63.17 42.04,62.74 ; 41.23,75.86 39.94,77.15 39.94,81.72 v1(39.88,81.79) ; 33.78,50.42 33.97,50.23 ; 33.78,50.42 24.51,50.42 23.56,51.37 23.56,59.37 23.88,59.69 P7.3 ; v1(22.35,110.36) 23.11,110.36 24,111.25 46.48,111.25 47.37,110.36 47.37,93.47 46.36,92.46 39.88,92.46 38.8,91.38 37.59,91.38 37.08,90.87 37.08,83.31 v1(37.47,82.93) ; 106.05,59.69 105.16,59.69 ; 106.05,59.69 111.25,54.48 127.25,54.48 127.76,54.99 R74.1 128.85,55.25 ; 106.05,59.69 v1(93.22,59.69) ; v1(64.52,42.55) v1(52.32,42.55)
  Top w0.508: R74.1 129.16,54.94 129.16,53.21 129.94,52.43 Q20.3
  Bottom w0.254: v1(22.35,110.36) 20.96,110.36 16.26,105.66 16.26,66.17 17.65,64.77 P10.2 ; v1(93.22,59.69) 65.91,59.69 65.66,59.44 65.66,43.31 64.9,42.55 v1(64.52,42.55) ; v1(42.04,55.88) 41.78,56.13 P50.3 37.97,56.13 ; v1(37.47,82.93) 38.73,82.93 v1(39.88,81.79) ; v1(43.56,42.55) v1(52.32,42.55)
Net-(P10-Pad10): length 4.8
  Top w1.016: R134.1 P10.10
Net-(P44-Pad3): length 157.6
  Top w0.254: U11.TX 49.53,17.14 50.17,17.78 50.8,17.78 50.8,22.48 50.04,23.24 47.24,23.24 45.72,24.77 45.72,27.05 45.38,27.39 38.27,27.39 37.08,28.58 26.67,28.58 22.61,24.51 v1(21.84,24.51) ; v1(78.99,17.65) 80.46,17.65 U13.3 ; v1(20.83,102.87) 21.08,102.62 21.08,100.33 v1(20.07,99.31)
  Bottom w0.254: v1(20.83,102.87) 20.83,102.95 P44.3 ; v1(21.84,24.51) 20.83,25.53 20.83,82.02 21.4,82.58 21.4,88.46 ; 21.4,88.46 21.4,89.86 19.3,91.95 19.3,98.43 20.07,99.19 v1(20.07,99.31) ; 21.4,88.46 21.4,88.83 ; U11.TX 50.8,17.78 75.82,17.78 ; v1(78.99,17.65) 78.87,17.78 75.82,17.78 ; 75.82,17.78 75.95,17.78
Net-(P44-Pad4): length 165
  Top w0.254: v1(84.96,16.45) 84.97,16.45 U14.3 ; v1(21.84,23.11) 22.73,23.11 27.43,27.81 36.7,27.81 37.67,26.85 45.1,26.85 45.15,26.8 45.15,24.32 47.88,21.59 v1(47.88,20.45)
  Bottom w0.254: 19.55,100.45 21.58,100.45 ; 19.55,100.45 18.8,99.69 18.8,91.69 20.83,89.66 20.83,82.73 20.32,82.23 20.32,24.64 v1(21.84,23.11) ; 19.55,100.45 P44.4 ; 57.15,20.83 72.69,20.83 73.83,21.97 84.58,21.97 84.96,21.59 v1(84.96,16.45) ; 57.15,20.83 U11.RX ; 57.15,20.83 48.26,20.83 v1(47.88,20.45)
Net-(P50-Pad6): length 16.9
  Top w0.254: P7.6 25.53,67.31 27.24,65.6 27.24,64.37 32.55,59.06 35.31,59.06 P50.6 35.69,58.67
  Top w0.762: P7.6 27.76,67.31
Net-(P50-Pad7): length 21.8
  Top w0.254: 38.73,61.47 38.73,61.21 ; P50.7 38.23,61.02 37.15,59.94 32.51,59.94 28.07,64.39 v1(28.07,65.53)
  Top w0.762: P7.7 27.76,69.85
  Bottom w0.254: v1(28.07,65.53) 28.07,65.79 26.92,66.93 26.92,68.33 P7.7
Net-(P50-Pad8): length 18.8
  Top w0.254: P50.8 32,61.21 29.21,64.01 29.21,70.54 28.3,71.45 R5.2
  Top w0.762: P7.8 27.76,72.39
Net-(P50-Pad9): length 52.9
  Top w0.254: v1(25.59,52.77) 25.78,52.58 30.86,52.58 v1(33.15,54.86) ; P50.9 38.23,63.63 ; P50.9 38.61,63.75 40.51,61.85 v1(40.51,58.8) ; P50.9 38.23,63.5
  Top w0.762: P7.9 27.76,74.93
  Bottom w0.254: 24.38,52.7 23.62,53.47 ; 23.62,53.47 24.32,52.77 v1(25.59,52.77) 25.46,52.77 25.4,52.83 ; 23.62,53.47 23.62,73.15 P7.9 ; v1(40.51,58.8) 39.08,57.37 34.51,57.37 33.15,56.01 v1(33.15,54.86)
Net-(P50-Pad10): length 34.2
  Top w0.254: v1(33.24,58.23) 32.66,58.23 26.73,64.15 26.73,65.39 26.08,66.04 24.26,66.04 23.68,66.62 23.68,75.75 P7.10
  Top w0.762: P7.10 27.76,77.47
  Bottom w0.254: P50.10 33.72,61.79 33.72,58.71 v1(33.24,58.23)
Net-(P50-Pad11): length 30.2
  Top w0.254: 29.79,71.12 v1(34.92,71.12) ; 29.79,71.12 29.21,71.7 29.21,73.53 29.08,73.66 v1(26.67,73.66) ; 29.79,71.12 29.85,71.12 ; P50.11 38.35,66.29 39.75,67.69 39.75,70.36 v1(39.5,71.12)
  Top w0.762: P7.11 27.76,80.01
  Bottom w0.254: P7.11 26.04,80.01 26.67,79.38 v1(26.67,73.66) ; v1(34.92,71.12) v1(39.5,71.12)
Net-(P50-Pad12): length 47.3
  Top w0.254: 35.69,65.91 P50.12 36.96,65.02 39.88,65.02 40.45,65.6 40.45,71.49 40.43,71.51 40.43,74.76 37.97,77.22 37.97,81.28 v1(37.47,81.79) ; P7.12 24.07,83.88 24.07,85.92 24.51,86.36 26.8,86.36 27.43,85.72 v1(32.51,85.72)
  Top w0.762: P7.12 27.76,82.55
  Bottom w0.254: v1(37.47,81.79) 34.8,81.79 34.42,82.17 34.42,85.47 34.16,85.72 ; v1(32.51,85.72) 34.16,85.72 ; 34.16,85.72 34.35,85.53
Net-(Q1-Pad1): length 3.6
  Top w0.254: R18.2 48.07,77.17 Q1.1
Net-(Q3-Pad1): length 3.8
  Top w0.508: 156.49,3.76 R35.1 156.05,4.29 R36.1 ; Q3.1 156.91,4.14
Net-(Q12-Pad1): length 10.2
  Top w0.254: 149.99,3.5 Q13.2
  Top w0.508: Q12.1 148.21,9.22 148.21,8.38 148.97,7.62 148.97,3.5 149.28,3.5 ; 149.28,3.5 149.25,3.53 R73.1 ; 149.28,3.5 149.99,3.5
Net-(Q12-Pad3): length 6.2
  Top w0.254: 149.24,9.24 Q12.3 ; 151.26,8.76 R72.2
  Top w0.508: 150,5.4 151.26,6.65 R72.2 ; 151.26,8.76 150.75,9.27 Q12.3
Net-(Q14-Pad1): length 4.4
  Top w0.508: R24.1 59.37,48.65 Q15.2 Q14.1
Net-(Q14-Pad3): length 8.1
  Top w0.254: Q15.1 57.55,50.43
  Top w0.508: Q14.3 60.56,52.43 59.56,51.44 58.17,51.44 57.47,50.74 Q15.1 56.77,50.24 55.37,50.24
Net-(Q16-Pad1): length 5.3
  Top w0.254: Q16.1 64.96,55.18
  Top w0.508: R75.1 64.96,52.33 Q16.1 Q17.2
Net-(Q16-Pad3): length 10.2
  Top w0.254: 61.15,55.13 Q17.1 61.15,55.18
  Top w0.508: 61.09,56.13 65.28,56.13 65.91,56.77 Q16.3 ; 61.09,56.13 59.62,56.13 58.04,54.56 ; 61.09,56.13 61.09,55.2 Q17.1
Net-(Q18-Pad1): length 8
  Top w0.254: Q18.1 61.41,59.25
  Top w0.508: R80.1 64.84,60.2 62.61,60.2 61.61,59.2 Q18.1 Q19.2
Net-(Q18-Pad3): length 9
  Top w0.254: Q19.1 57.6,59.38 ; 55.12,58.29 55.37,58.04 ; Q18.3 62.34,61.2
  Top w0.508: R76.2 56.33,59.2 Q19.1 57.6,59.63 58.17,60.2 61.36,60.2 Q18.3
Net-(Q20-Pad1): length 9.7
  Top w0.508: Q20.1 131.46,51.53 133.06,51.53 134.68,53.15
  Top w0.762: R74.2 132.84,54.99 135,52.83 Q21.3
Net-(Q20-Pad2): length 3.8
  Top w0.762: R11.1 134.05,48.42 Q21.1 Q20.2
Net-(Q22-Pad1): length 10
  Top w0.254: Q23.3 49.91,87.99 49.91,85.72 49.47,85.28 45.78,85.28 45.15,85.91 Q22.1 45.09,86.18 R81.2
  Top w0.508: Q22.1 45.15,86.3
Net-(Q22-Pad2): length 9.1
  Top w0.254: 42.04,87.12 41.77,87.12 ; 42.04,87.12 41.74,87.12 R79.1 ; 42.04,87.12 46.05,87.12 Q22.2
  Top w0.508: Q23.1 Q22.2
Net-(Q24-Pad1): length 1.8
  Top w0.254: Q24.1 32.21,91.38 R6.2
Net-(Q24-Pad3): length 287.9
  Top w0.254: v1(36.33,77.74) 35.43,78.64 35.43,88.01 v1(34.8,88.65) 34.16,88.65 32.89,87.38 30.86,87.38 Q24.3
  Top w1.27: 186.56,98.43 186.69,98.55
  Bottom w0.254: 58.42,41.15 58.42,62.84 57.82,63.44 55.05,63.44 ; 58.42,41.15 58.42,39.03 60.87,36.58 92.84,36.58 96.01,39.75 98.68,39.75 100.46,37.97 SP2.1 101.35,37.97 ; 58.42,41.15 58.42,39.75 ; SP1.1 184.23,98.6 182.63,100.2 179.71,100.2 177.93,98.43 143,98.43 ; 55.05,63.44 52.45,66.04 52.45,67.95 51.56,68.83 40.64,68.83 40.51,68.96 40.51,75.95 38.72,77.74 v1(36.33,77.74) ; 55.05,63.44 54.93,63.56 ; 141.1,96.52 141.48,96.9 ; 141.1,96.52 143,98.43 ; 141.1,96.52 81.88,96.52 79.08,93.73 70.48,93.73 69.85,94.36 59.94,94.36 ; 143,98.43 142.56,97.98 ; 59.69,94.36 59.94,94.36 ; 59.94,94.36 59.31,94.36 55.88,90.93 41.28,90.93 38.99,88.65 v1(34.8,88.65)
  Bottom w0.762: SP2.1 SP2.1
  Bottom w1.27: 187.96,98.56 187.95,98.55 186.69,98.55
Net-(S1-Pad1): length 47
  Top w0.254: v1(147.32,39.24) 146.05,39.24 145.42,39.88 145.42,41.17 ; v1(147.96,38.1) U4.15
  Bottom w0.254: v1(147.96,38.1) 147.96,38.23 150.37,40.64 150.37,52.7 149.86,53.21 S1.16 ; v1(147.32,39.24) 147.32,38.99 149.23,40.89 149.23,47.73 ; S1.16 S1.15 S1.14 S1.12 S1.11 S1.10 S1.9 ; S1.16 S1.1
Net-(S1-Pad2): length 16.9
  Top w0.254: U4.7 141.61,39.5 144.78,39.5 145.92,38.35 v1(146.3,38.35)
  Bottom w0.254: v1(146.3,38.35) 146.3,40.26 147.96,41.91 147.96,47.73
Net-(S1-Pad3): length 17.2
  Top w0.254: U4.10 141.61,37.34 142.11,37.85 143.38,37.85 144.15,37.08 v1(144.4,37.08)
  Bottom w0.254: 146.69,47.73 146.69,41.66 144.4,39.37 v1(144.4,37.08)
Net-(S1-Pad4): length 10.1
  Top w0.254: U4.1 149.23,42.55 148.72,43.05 v1(145.42,43.05)
  Bottom w0.254: 145.42,47.73 v1(145.42,43.05)
Net-(S1-Pad5): length 6.6
  Top w0.254: v1(144.15,43.05) U4.5
  Bottom w0.254: 144.15,47.73 v1(144.15,43.05)
Net-(S1-Pad6): length 6.6
  Top w0.254: v1(142.88,43.05) U4.6
  Bottom w0.254: 142.88,47.73 v1(142.88,43.05)
Net-(S1-Pad7): length 14.9
  Top w0.254: v1(140.34,37.72) U4.9
  Bottom w0.254: 141.61,46.74 141.61,47.73 ; v1(140.34,37.72) 141.61,38.99 S1.7
Net-(S1-Pad8): length 17.8
  Top w0.254: v1(142.88,36.96) U4.11
  Bottom w0.254: v1(142.88,36.96) 142.62,36.7 139.45,36.7 139.06,37.08 139.06,37.97 140.34,39.24 S1.8
Net-(S2-Pad1): length 46.5
  Top w0.254: v1(118.74,39.24) U9.4 ; U9.15 v1(121.29,37.21)
  Bottom w0.254: 122.55,39.37 122.55,38.48 v1(121.29,37.21) ; 122.55,39.37 S2.16 ; 122.55,39.37 122.43,39.24 120.52,39.24 ; S2.16 S2.15 S2.14 S2.13 S2.12 S2.11 S2.10 113.66,53.21 ; S2.16 S2.1 ; 122.55,47.73 122.55,40.39 ; 120.52,39.24 v1(118.74,39.24) ; 120.52,39.24 121.41,39.24
Net-(S2-Pad2): length 13.1
  Top w0.254: 115.06,41.3 U9.7 114.94,43.94 v1(121.29,43.94)
  Bottom w0.254: v1(121.29,43.94) 121.29,47.73
Net-(S2-Pad3): length 18.4
  Top w0.254: v1(114.94,37.97) U9.10
  Bottom w0.254: 120.02,42.29 120.02,47.73 ; 120.02,42.29 119.76,42.04 115.32,42.04 115.06,41.78 115.06,38.1 v1(114.94,37.97) ; 120.02,42.29 120.02,43.31
Net-(S2-Pad4): length 10
  Top w0.254: U9.1 122.55,42.42 121.92,43.05 v1(118.74,43.05)
  Bottom w0.254: v1(118.74,43.05) 118.74,47.73
Net-(S2-Pad5): length 6.6
  Top w0.254: U9.5 v1(117.48,43.05)
  Bottom w0.254: v1(117.48,43.05) 117.48,47.73
Net-(S2-Pad6): length 6.6
  Top w0.254: U9.6 v1(116.2,43.05)
  Bottom w0.254: v1(116.2,43.05) 116.2,47.73
Net-(S2-Pad7): length 14.9
  Top w0.254: v1(113.66,37.97) 113.66,35.03
  Bottom w0.254: 114.94,46.74 114.94,47.73 ; v1(113.66,37.97) 113.66,43.18 114.94,44.45 S2.7
Net-(S2-Pad8): length 16.9
  Top w0.254: U9.11 v1(116.2,36.96)
  Bottom w0.254: v1(116.2,36.96) 113.16,36.96 112.78,37.34 112.78,43.18 113.66,44.07 113.66,48.39
Net-(S3-Pad1): length 45.8
  Top w0.254: v1(136.53,43.94) 132.72,43.94 U12.4 ; U12.15 v1(135.26,36.96)
  Bottom w0.254: v1(135.26,36.96) 137.41,36.96 137.54,37.08 137.54,52.58 136.91,53.21 S3.16 ; S3.16 S3.15 S3.14 S3.13 S3.12 S3.11 S3.10 S3.9 ; S3.16 S3.1 v1(136.53,43.94)
Net-(S3-Pad2): length 17.6
  Top w0.254: v1(132.46,38.99) 129.67,38.99 128.91,39.75 U12.7
  Bottom w0.254: v1(132.46,38.99) 133.22,38.23 134.37,38.23 135.51,39.37 135.51,44.58 135.26,44.83 135.26,47.73
Net-(S3-Pad3): length 17.6
  Top w0.254: U12.10 128.91,37.47 129.35,37.91 132.78,37.91 v1(133.99,39.12)
  Bottom w0.254: v1(133.99,39.12) 134.11,39.12 134.87,39.88 134.87,44.2 133.99,45.09 133.99,47.73
Net-(S3-Pad4): length 9.3
  Top w0.254: U12.1 136.53,42.67 136.14,43.05 v1(133.99,43.05)
  Bottom w0.254: v1(133.99,43.05) 132.72,44.58 132.72,47.73
Net-(S3-Pad5): length 6.6
  Top w0.254: U12.5 v1(131.45,43.05)
  Bottom w0.254: v1(131.45,43.05) 131.45,47.73
Net-(S3-Pad6): length 6.6
  Top w0.254: U12.6 v1(130.18,43.05)
  Bottom w0.254: v1(130.18,43.05) 130.18,47.73
Net-(S3-Pad7): length 13.2
  Top w0.254: v1(128.65,38.61) 127.64,37.59 U12.9
  Bottom w0.254: v1(128.65,38.61) 128.65,46.23 128.91,46.48 128.91,47.73
Net-(S3-Pad8): length 15.2
  Top w0.254: v1(130.18,36.96) U12.11
  Bottom w0.254: S3.8 127.77,48.25 127.77,37.96 128.78,36.96 v1(130.18,36.96)
Net-(U4-Pad2): length 11.1
  Top w0.254: U4.2 147.96,40 149.23,38.73 v1(149.23,38.23) ; U5.2 v1(153.67,38.23)
  Bottom w0.254: v1(153.67,38.23) v1(149.23,38.23)
Net-(U5-Pad6): length 48.9
  Top w0.254: U9.2 121.29,39.37 121.41,39.24 125.98,39.24 126.24,39.5 v1(126.24,39.37) ; v1(158.5,33.02) 158.75,33.27 U5.6
  Bottom w0.254: v1(158.5,33.02) 153.04,33.02 151.77,31.75 138.81,31.75 138.3,32.26 126.87,32.26 126.24,32.89 v1(126.24,39.37)
Net-(U8-Pad6): length 1.5
  Bottom w1.016: 41.02,31.37 39.52,31.37
Net-(U8-Pad7): length 1.5
  Bottom w1.016: 41.02,28.83 39.52,28.83
Net-(U12-Pad2): length 37
  Top w0.254: U12.2 135.26,39.37 135.38,39.24 137.29,39.24 137.67,39.62 138.43,39.62 v1(138.49,39.56) ; v1(156.21,45.47) 155.7,45.97 154.31,45.97 153.92,46.36 v1(138.56,46.36) ; v1(158.75,45.47) U5.9
  Bottom w0.254: v1(138.56,46.36) 138.49,46.29 v1(138.49,39.56) ; v1(156.21,45.47) v1(158.75,45.47)
Net-(U15-Pad3): length 72.3
  Top w0.254: v1(45.47,20.83) 45.47,19.56 44.58,18.67 39.83,18.67 U2.TXD ; U15.3 89.41,16.26 v1(89.41,16.38)
  Bottom w0.254: 38.35,21.08 38.35,20.45 ; v1(45.47,20.83) 45.97,21.34 72.48,21.34 73.62,22.48 87.38,22.48 89.41,20.45 v1(89.41,16.38)
  Bottom w0.508: 35.81,23.62 35.81,23.37 38.35,20.83 38.35,17.27 ; 35.81,14.1 35.81,14.22 38.35,16.76 38.35,16.64
Net-(U16-Pad3): length 87.3
  Top w0.254: 33.27,23.62 33.27,25.81 33.76,26.29 41.96,26.29 42.14,26.11 42.14,21.62 U2.RXD ; U16.3 94.54,16.91 95.36,16.91 96.27,16 v1(96.27,16.26)
  Bottom w0.254: v1(96.27,16.26) 94.49,16.26 87.63,23.11 73.41,23.11 72.2,21.91 42.43,21.91 U2.RXD
  Bottom w0.508: 40.89,16.89 38.35,14.35 38.35,14.1 ; 40.89,20.45 40.89,17.27

## Copper pours and planes (outline as drawn; the poured copper is in the pictures)
GND on Top: 271.15,13.97 257.81,13.97 257.81,113.03 271.15,113.03
GND on Top: 184.4,1.02 177.8,1.27 16.26,1.02 16.26,113.79 213.36,113.79 213.36,50.29 193.8,50.55 184.66,41.28
GND on Bottom: 213.36,50.29 193.55,50.29 184.4,41.02 184.4,1.02 16.26,1.02 16.26,113.79 213.36,113.79
Charg_Pin_+ on Top: 13.97,8.89 0.64,8.89 0.64,113.03 13.97,113.03

## Text on the board
Bottom: http://www.ardumower.de / https://www.marotronics.de/ / PCB layout        : V 1.4 / Software version   : ab Azurit / JL&UZ         15.01.2021
B.Silkscreen: to use motor emergency stop terminal, / the conductor path must be cut here | SCL1 | SDA1 | AREF | GND | FREI | 13 | IORF | 12 | RST | 11 | +3V3 | 10 | +5V | 9 | 8 | V_IN | 7 | 6 | AD0 | 5 | AD1 | 4 | AD2 | 3 | AD3 | 2 | 1 / TX0 | AD4 | AD5 | 0 / RX0 | AD6 | 14 / GpsRX | AD7 | 15 / GpsTX | AD8 | 16 / TX2 | AD9 | 17 / RX2 | AD10 | 18 / TX1 | AD11 | 19 / RX1 | 20 / SDA | AD12 | 21 / SCL | AD13 | AD14 | AD15 | 31/30 | 53/52 | 35/34 | 33/32 | 51/50 | 49/48 | 47/46 | 45/44 | 43/42 | 41/40 | 39/38 | 37/36 | 5V_5/5V_4 | 29/28 | 27/26 | 25/24 | 23/22 | GND/GND | Echo | +5VP | Trig | P31 | P1 | P11 | Sonar C | Bumper | DropLeft | P21 | P2 | P3 | Sonar L | Sonar R | DropRight | dip switch counter / counter / 1 = X/2  --- 5 = X/6 / 2 = X/3  --- 6 = X/7 / 3 = X/4  --- 7 = X/8 / 4 = X/5  --- 8 = X/9 | -----Attention ----- / jumper JP13 may be used / for arduino due only | http://www.ardumower.de / https://www.marotronics.de/ / PCB layout        : V 1.4 / Software version   : ab Azurit / ML AG JL BS UZ    15.01.2021 | only one switch / set to ON / per dip switch
User.Eco1: Pin1
F.Silkscreen: to use motor emergency stop terminal, / conductor contacts at backside / have to be cut | SCL1 | SDA1 | AREF | GND | FREI | 13 | IORF | 12 | RST | 11 | +3V3 | 10 | +5V | 9 | 8 | V_IN | 7 | 6 | AD0 | 5 | AD1 | 4 | AD2 | 3 | AD3 | 2 | AD4 | 1 / TX0 | AD5 | 0 / RX0 | AD6 | 14 / GpsRX | AD7 | 15 / GpsTX | AD8 | 16 / TX2 | AD9 | 17 / RX2 | AD10 | 18 / TX1 | AD11 | 19 / RX1 | 20 / SDA | AD12 | 21 / SCL | AD13 | AD14 | AD15 | 52/53 | 34/35 | 32/33 | 50/51 | 48/49 | 46/47 | 44/45 | 42/43 | 40/41 | 38/39 | 36/37 | 30/31 | 26/27 | 24/25 | 22/23 | 5V_4/5V_5 | GND/GND | +3,3VP | +5VP | LötBrücke | 3,3V/5V | TX | RX | LED | SDA | SCL | Trig | Echo | http://www.ardumower.de / https://www.marotronics.de/ / PCB layout        : V 1.4 / Software version   : ab Azurit / ML AG JL BS UZ    15.01.2021 | Connect battery / only via external / 2P lockable / Emergency switch! | +24V | Buzzer | GPS | Laderelais | Wlan | BT | Status LED | DuoLED-Rot | DuoLED-Grün | Station-Led | 1 | Dauer-ON / Autom. | C | - | Read / documentation / before assembling / and operating! | Vout | Vin | + | Charge+ | Charge-
